# Altium PCB main.PcbDoc (part 2 of 2) (continued)
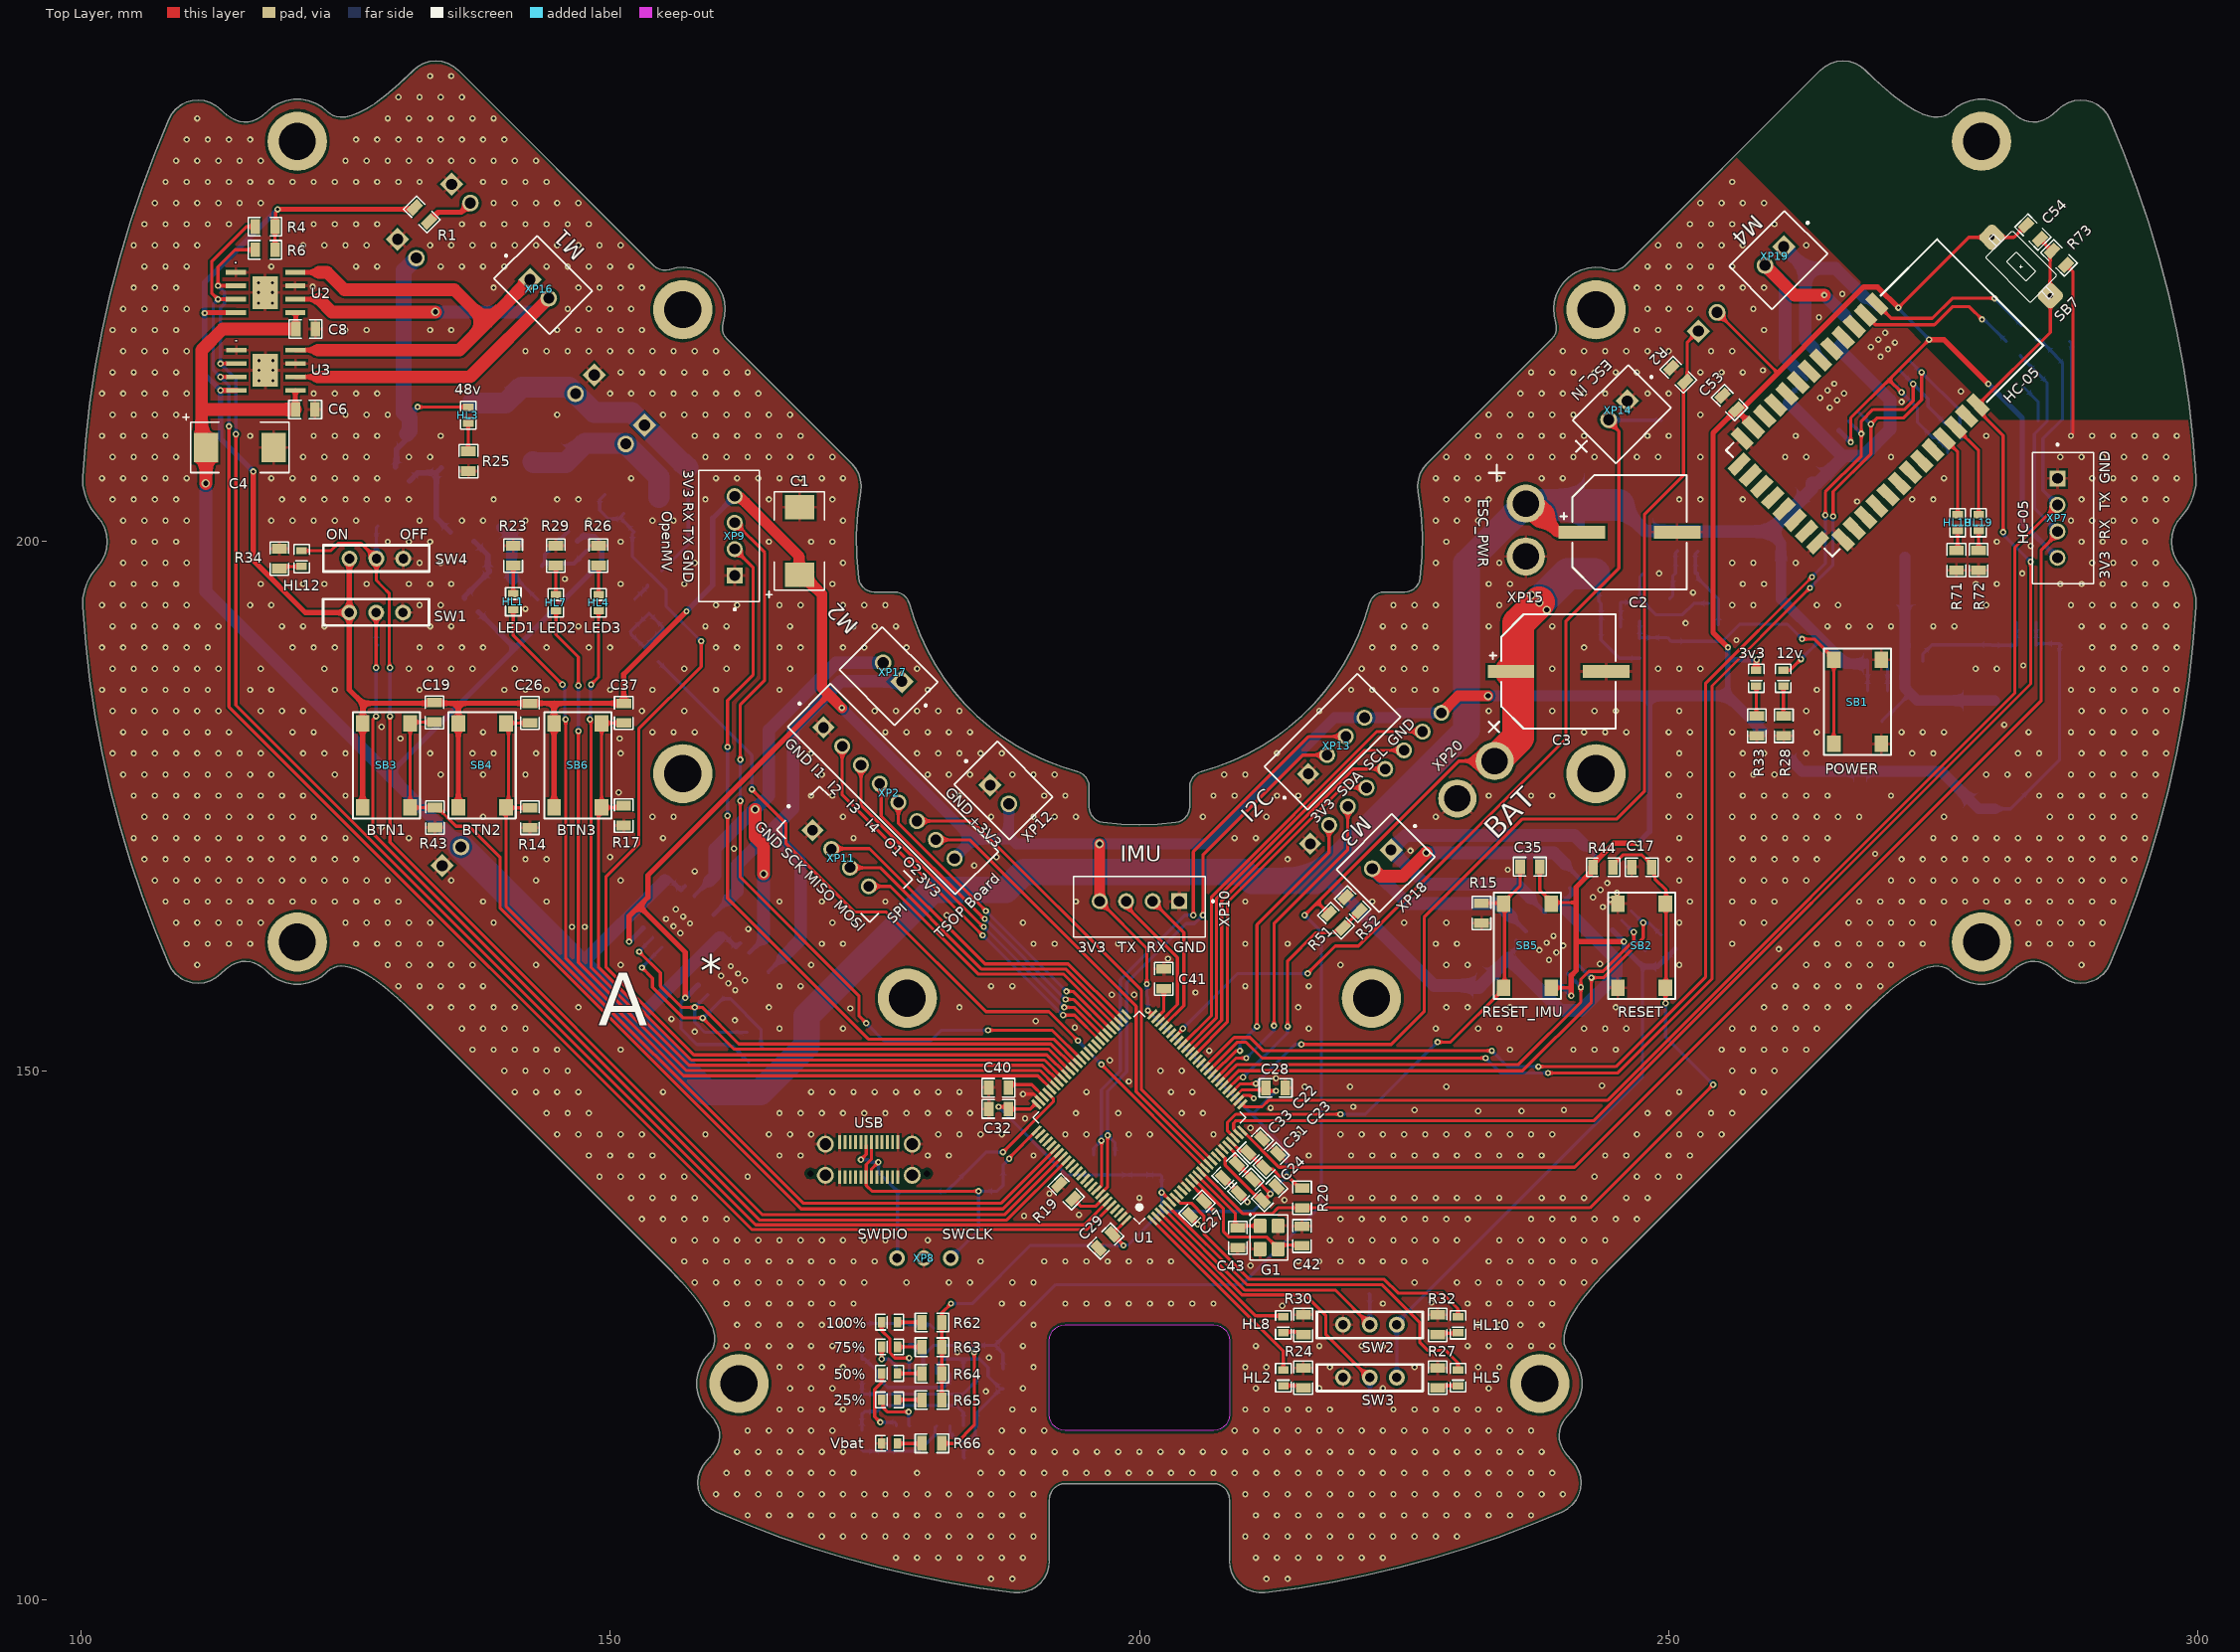
[diagram p0: Top Layer view]
## Nets (pads, with @x,y where several pads share a name; then routed paths per layer and width w, separated by ;. In a path a pad name is that pad's centre, name@x,y a point inside that pad or via, vN(x,y) a via of type N, cw(c..) or ccw(c..) an arc to the next point about the centre after c; other vN are vias at no path point) (continued)
  Bottom Layer w0.3: v1(209.5,151.9) 209.5,152.601 v1(211.1,154.201)
LB_OUT2: U1.33 XP1.3 | length 31.4
  Top Layer w0.3: U1.33@207.248,149.312 209.136,151.2 v1(210.1,151.2) ; v1(212.717,154.262) 212.717,163.917 219.688,170.888 XP1.3@219.688,174.983
  Bottom Layer w0.3: v1(210.1,151.2) 212.717,153.817 v1(212.717,154.262)
LED1: HL1.2 U1.71 | length 86
  Top Layer w0.3: HL1.2@140.851,193.578 140.851,191.148 v1(145.5,186.499) ; v1(145.8,183.2) 145.8,160.675 156.94,149.535 190.408,149.535 U1.71@191.692,148.252
  Bottom Layer w0.3: v1(145.5,186.499) 145.7,186.299 145.7,183.2 v1(145.8,183.2)
LED2: HL7.2 U1.70 | length 84
  Top Layer w0.3: HL7.2@144.885,193.478 144.885,191.215 147,189.1 v1(147,186.4) ; v1(147,182.1) 147,160.225 157.195,150.03 190.62,150.03 U1.70@192.045,148.605
  Bottom Layer w0.3: v1(147,182.1) v1(147,186.4)
LED3: HL4.2 U1.69 | length 82.8
  Top Layer w0.3: v1(148.1,183.2) 148.2,183.2 148.2,159.775 157.45,150.525 190.832,150.525 U1.69@192.399,148.959 ; v1(148.2,186.5) 148.918,187.218 HL4.2@148.918,193.478
  Bottom Layer w0.3: v1(148.1,183.2) 148.15,183.25 148.15,186.45 v1(148.2,186.5)
M1_IN1: R6.1 U1.96 U2.3 U3.3 | length 156.5
  Top Layer w0.3: v1(113.2,215.566) U3.3@114.687,215.566 ; v1(114,210.9) 114,184.4 163.4,135 195.057,135 U1.96@197.348,137.292 ; U2.3@114.65,222.907 v1(112.963,222.907) 112.363,223.507 112.363,226.463 115.68,229.78 R6.1@116.462,229.78
  Bottom Layer w0.3: v1(112.963,222.907) 112.5,222.444 112.5,216.266 v1(113.2,215.566) 114,214.766 v1(114,210.9)
M1_IN2: R4.1 U1.95 U2.2 U3.2 | length 153.4
  Top Layer w0.3: v1(113.2,216.815) 113.22,216.836 U3.2@114.687,216.836 ; U2.2@114.65,224.177 v1(112.963,224.177) 112.963,225.963 114.58,227.58 R4.1@116.462,227.58 ; v1(114.656,210.156) 114.656,184.544 163.75,135.45 194.8,135.45 U1.95@196.995,137.645
  Bottom Layer w0.3: v1(112.963,224.177) 113.563,223.577 113.563,222.463 113.2,222.1 v1(113.2,216.815) 114.656,215.359 v1(114.656,210.156)
M1_OUT1: U2.6 U3.6 XP16.2 | length 52
  Top Layer w0.4: U2.6@120.25,222.907 122.5,222.907 ; U3.6@120.287,215.566 122.4,215.566
  Top Layer w1.2: 122.4,215.566 136.766,215.566 XP16.2@144.2,223 ; 122.5,222.907 123.707,221.7 v2(133.5,221.7)
  Bottom Layer w1.2: v2(133.5,221.7) 142.9,221.7 XP16.2@144.2,223
M1_OUT2: U2.8 U3.8 XP16.1 | length 45
  Top Layer w0.4: U2.8@120.25,225.447 122.5,225.447 ; U3.8@120.287,218.106 122.4,218.106
  Top Layer w1.2: 122.4,218.106 135.77,218.106 138.382,220.718 ; 122.5,225.447 123.253,225.447 124.9,223.8 128.216,223.8 135.3,223.8 138.382,220.718 ; XP16.1@142.432,224.768 138.382,220.718
M2_IN1: R7.1 U1.65 U4.3 U5.3 | length 56.6
  Top Layer w0.3: v1(152.75,161.25) 154.75,159.25 154.75,158 156.75,156 v1(158,156) 158.7,156 162.15,152.55 191.636,152.55 U1.65@193.813,150.373
  Bottom Layer w0.3: v1(152.75,161.25) 152.75,161.285 154.015,162.55 U4.3@154.015,162.585 ; U5.3@159.207,157.197 159.202,157.197 158.005,156 v1(158,156) 158,154.6 158.951,153.649 R7.1@162.927,153.649
M2_IN2: R5.1 U1.66 U4.2 U5.2 | length 57
  Top Layer w0.3: v1(153,159.75) 154,158.75 154,157.9 156.9,155 v1(158.75,155) 161.7,152.05 191.429,152.05 U1.66@193.459,150.019
  Bottom Layer w0.3: v1(153,159.75) 153,159.762 154.913,161.675 U4.2@154.913,161.687 ; v1(158.75,155) 158.806,155 160.617,156.811 161.36,156.811 164.252,153.919 164.252,152.325 R5.1@164.427,152.149
M2_OUT1: U4.6 U5.6 XP17.2 | length 46.5
  Top Layer w1.2: v2(163.7,174.7) 163.7,172.1 164.5,171.3 v2(164.5,168.6)
  Bottom Layer w0.4: U4.6@157.975,166.545 159.4,167.97 ; U5.6@163.166,161.156 164.51,162.5
  Bottom Layer w1.2: 159.4,167.97 159.9,168.47 159.9,170.97 163.63,174.7 v2(163.7,174.7) 165,176 165,182.2 171.355,188.555 XP17.2@175.787,188.555 ; v2(164.5,168.6) 164.51,168.59 164.51,162.5
M2_OUT2: U4.8 U5.8 XP17.1 | length 48.5
  Bottom Layer w0.4: U4.8@159.771,164.749 161.211,166.189 ; U5.8@164.963,159.36 166.351,160.749
  Bottom Layer w1.2: 161.211,166.189 162,166.978 162,169.478 165.131,172.609 ; 166.351,160.749 168,162.398 168,169.739 165.131,172.609 ; XP17.1@177.555,186.787 177.516,186.826 171.791,186.826 167.3,182.335 167.3,174.778 165.131,172.609
M3_IN1: R10.1 U1.32 U6.3 U7.3 | length 52.3
  Top Layer w0.3: U1.32@207.601,148.959 209.243,150.6 235.8,150.6 241.7,156.5 v1(241.7,157.9) 241.701,157.901 241.701,158.65 242.451,159.4 243.8,159.4 246.7,162.3 v1(246.7,163.1)
  Bottom Layer w0.3: U6.3@240.465,159.213 240.465,159.174 241.7,157.939 v1(241.7,157.9) ; U7.3@245.551,164.209 245.571,164.209 246.68,163.1 v1(246.7,163.1) 246.757,163.043 246.757,162.385 R10.1@247.79,161.352
M3_IN2: R8.1 U1.31 U6.2 U7.2 | length 53.9
  Top Layer w0.3: U1.31@207.955,148.605 209.35,150 236.2,150 242.7,156.5 v1(242.7,158.8) 243.836,158.8 247.6,162.564 v1(247.6,164)
  Bottom Layer w0.3: U6.2@241.363,160.111 241.376,160.111 242.687,158.8 v1(242.7,158.8) ; U7.2@246.449,165.107 246.471,165.107 247.578,164 v1(247.6,164) 247.657,163.943 248.182,163.943 R8.1@249.283,162.842
M3_OUT1: U6.6 U7.6 XP18.2 | length 38.8
  Top Layer w1.2: XP18.2@222,169.1 222.101,169.1 222.801,168.4 224.9,168.4 v2(227.1,170.6)
  Bottom Layer w0.4: 235.1,164.578 U6.6@236.505,163.172 ; 240.187,169.573 U7.6@241.591,168.169
  Bottom Layer w1.2: XP18.2@222,169.1 225.3,165.8 233.878,165.8 235.1,164.578 ; v2(227.1,170.6) 239.16,170.6 240.187,169.573
M3_OUT2: U6.8 U7.8 XP18.1 | length 38.1
  Bottom Layer w0.4: 236.9,166.37 U6.8@238.301,164.968 ; 241.976,171.376 U7.8@243.387,169.965
  Bottom Layer w1.2: 236.9,166.37 235.641,167.628 227.007,167.628 XP18.1@223.768,170.868 225.137,172.237 241.115,172.237 241.976,171.376
M4_IN1: R11.1 U1.36 U8.3 U9.3 | length 127.7
  Top Layer w0.3: U1.36@206.187,150.373 208.964,153.15 210.45,153.15 211.7,151.9 v1(233.3,151.9) ; v1(237.7,150.4) 245,150.4 253.5,158.9 253.5,186.628 v1(263.536,196.664) ; v1(264.8,202.5) 264.8,204.7 268.2,208.1 v1(268.2,210.2) 268.2,211.4 269.3,212.5 272.3,212.5 273.1,213.3 v1(273.1,214.9)
  Bottom Layer w0.3: v1(233.3,151.9) 234.8,150.4 v1(237.7,150.4) ; v1(263.536,196.664) 264.8,197.928 v1(264.8,202.5) ; U8.3@266.99,211.4 266.995,211.4 268.195,210.2 v1(268.2,210.2) ; U9.3@271.796,216.205 273.1,214.901 274.5,213.5 274.5,212.8 276.151,211.149 R11.1@276.277,211.149
M4_IN2: R9.1 U1.35 U8.2 U9.2 | length 131.7
  Top Layer w0.3: U1.35@206.541,150.019 209.221,152.7 210.1,152.7 211.6,151.2 v1(232.7,151.2) ; v1(238.6,149.8) 245.2,149.8 254.1,158.7 254.1,186.38 v1(263.345,195.625) ; v1(265.542,202.394) 265.542,204.742 269.1,208.3 v1(269.1,211.1) 269.7,211.7 272.2,211.7 273.9,213.4 v1(273.9,216)
  Bottom Layer w0.3: v1(232.7,151.2) 234.1,149.8 v1(238.6,149.8) ; v1(263.345,195.625) 265.5,197.78 265.5,202.394 v1(265.542,202.394) ; U8.2@267.888,212.298 267.895,212.298 269.093,211.1 v1(269.1,211.1) ; U9.2@272.694,217.104 272.745,217.104 273.849,216 v1(273.9,216) 277.502,212.398 277.502,209.925 R9.1@277.677,209.749
M4_OUT1: U8.6 U9.6 XP19.2 | length 23.6
  Top Layer w1.2: XP19.2@259.1,226.1 261.9,223.3 v1(264.7,223.3)
  Bottom Layer w0.4: 261.895,216.495 U8.6@263.03,215.36 ; 266.7,221.3 267.834,220.166 U9.6@267.836,220.166
  Bottom Layer w1.2: XP19.2@259.1,226.1 261,224.2 261,217.39 261.895,216.495 ; v1(264.7,223.3) 266.7,221.3
M4_OUT2: U8.8 U9.8 XP19.1 | length 20.7
  Bottom Layer w0.4: 263.691,218.291 U8.8@264.826,217.156 ; 268.497,223.097 U9.8@269.632,221.962
  Bottom Layer w1.2: XP19.1@260.868,227.868 262.9,225.836 ; 263.691,218.291 262.9,219.082 262.9,225.836 ; 268.497,223.097 265.759,225.836 262.9,225.836
MTR_SW: HL12.2 R42.2 SW4.2 U1.83 | length 118.8
  Top Layer w0.3: HL12.2@120.856,199.15 123.626,199.15 124.326,199.85 126.47,199.85 SW4.2@127.92,198.4 127.92,196.33 128.436,195.814 129.15,195.1 129.15,188.15 v1(129.2,188.1) ; v1(129.2,183.5) 129.2,171.6 164.4,136.4 187.264,136.4 U1.83@192.752,141.888
  Bottom Layer w0.3: SW4.2@127.92,198.4 127.92,201.342 R42.2@128.058,201.48 ; v1(129.2,183.5) v1(129.2,188.1)
MV_RX: U1.63 XP9.3 | length 76.9
  Top Layer w0.3: XP9.3@161.771,201.8 164.6,198.971 164.6,186.9 162.3,184.6 v1(162.3,179.4) ; v1(162.3,175.5) 162.3,168.3 173.5,157.1 173.5,155.2 v1(174.2,154.5) ; v1(185.7,153.837) 191.763,153.837 U1.63@194.52,151.08
  Bottom Layer w0.3: v1(162.3,175.5) v1(162.3,179.4) ; v1(174.2,154.5) 175.9,152.8 180.235,152.8 181.272,153.837 v1(185.7,153.837)
MV_TX: U1.64 XP9.2 | length 74.2
  Top Layer w0.3: v1(161.1,174.1) 161.1,166.3 174.4,153 191.893,153 U1.64@194.166,150.727 ; v1(161.1,180.6) 161.1,185 163.5,187.4 163.5,197.571 XP9.2@161.771,199.3
  Bottom Layer w0.3: v1(161.1,174.1) v1(161.1,180.6)
NetBT1_1: HC-05.1 R69.1 | length 16.2
  Top Layer w0.3: HC-05.1@269.667,222.467 271.035,221.1 274.9,221.1 276.8,223 v1(280.8,223)
  Bottom Layer w0.3: v1(280.8,223) 283.383,220.417 R69.1@283.405,220.417
NetBT1_2: HC-05.2 R70.1 | length 15.7
  Top Layer w0.3: HC-05.2@268.607,221.407 269.513,220.5 275.1,220.5 276.8,222.2 278.4,222.2 v1(279.6,221)
  Bottom Layer w0.3: v1(279.6,221) 279.657,220.943 279.857,220.943 281.873,218.927 R70.1@281.901,218.927
NetBT1_3: HC-05.3
NetBT1_4: HC-05.4
NetBT1_5: HC-05.5
NetBT1_6: HC-05.6
NetBT1_7: HC-05.7
NetBT1_8: HC-05.8
NetBT1_9: HC-05.9
NetBT1_10: HC-05.10
NetBT1_11: HC-05.11
NetBT1_14: HC-05.14
NetBT1_15: HC-05.15
NetBT1_16: HC-05.16
NetBT1_17: HC-05.17
NetBT1_18: HC-05.18
NetBT1_19: HC-05.19
NetBT1_20: HC-05.20
NetBT1_23: HC-05.23
NetBT1_24: HC-05.24
NetBT1_25: HC-05.25
NetBT1_26: HC-05.26
NetBT1_27: HC-05.27
NetBT1_28: HC-05.28
NetBT1_29: HC-05.29
NetBT1_30: HC-05.30
NetBT1_31: HC-05.31 HL18.2 | length 7.7
  Top Layer w0.3: HC-05.31@276.031,209.739 277.304,208.467 HL18.2@277.304,202.542
NetBT1_32: HC-05.32 HL19.2 | length 9.2
  Top Layer w0.3: HC-05.32@277.092,210.8 279.284,208.608 HL19.2@279.284,202.542
NetBT1_33: HC-05.33@278.153,211.861
NetC25_1: C25.1 DA1.4 | length 2.8
  Bottom Layer w0.3: DA1.4@270.614,188.672 270.667,188.619 C25.1@270.667,185.906
NetC34_2: C34.2 C36.1 C38.2 L1.2 R12.2 R16.1 | length 45.6
  Bottom Layer w0.3: L1.2@280.8,174.75 282.3,174.75 286.914,179.364 C34.2@286.914,190.213 ; R12.2@284.721,192.372 284.721,190.213 C38.2@284.71,190.201 284.879,190.37 C34.2@286.914,190.37 ; C34.2@286.914,190.213 287.072,190.213 286.993,190.292 C34.2@286.914,190.37 ; C34.2@286.914,190.213 C34.2@286.914,190.37
  Bottom Layer w1: R16.1@261.131,179.769 262.6,178.3 C36.1@268.1,178.3 275.75,178.3 279.3,174.75 L1.2@280.8,174.75
NetC38_1: C38.1 DA1.2 R12.1 R13.2 | length 12.1
  Bottom Layer w0.3: DA1.2@274.014,188.672 274.014,189.397 274.877,190.259 R13.2@280.443,190.259 280.5,190.202 C38.1@282.85,190.201 282.841,190.21 R12.1@282.841,192.372
NetC40_2: C40.2 U1.73 | length 4
  Top Layer w0.3: C40.2@187.631,148.406 187.925,148.7 189.829,148.7 U1.73@190.984,147.545
NetC41_2: C41.2 U1.49 | length 3.1
  Top Layer w0.3: U1.49@201.591,154.969 202.306,155.684 C41.2@202.306,157.769
NetC42_1: C42.1 G1.3 U1.12 | length 14.4
  Top Layer w0.3: U1.12@205.127,139.766 207.95,136.943 207.95,134.801 208.463,134.288 212.062,134.288 213.1,133.25 G1.3@213.1,133.15 213.487,133.537 C42.1@215.359,133.537
NetC43_1: C43.1 G1.1 U1.13 | length 8.6
  Top Layer w0.3: U1.13@205.48,140.12 209.052,136.548 C43.1@209.052,135.16 ; C43.1@209.3,135.16 209.49,135.35 G1.1@211.4,135.35
NetC44_1: C44.1 C45.1 R37.2 VT4.D VT5.G | length 14.2
  Bottom Layer w0.3: R37.2@245.471,191.95 C45.1@245.471,194.173 ; C45.1@245.471,194.256 247.196,194.256 C44.1@247.287,194.346 ; VT5.G@247.574,196.969 247.287,196.681 C44.1@247.287,194.346 ; VT4.D@253.743,194.167 252.367,194.167 251.3,193.1 248.781,193.1 247.535,194.346 C44.1@247.287,194.346
NetC44_2: C44.2 R36.2 SB1.3 SB1.4 VD6.K | length 30.2
  Top Layer w0.3: v1(262.6,190.8) 263.754,190.8 265.592,188.963 SB1.3@265.592,188.838 SB1.4@265.592,180.888
  Bottom Layer w0.3: C44.2@247.272,192.486 R36.2@247.272,190.859 247.355,190.942 249.883,190.942 250.237,190.588 255.088,190.588 256.7,192.2 261.2,192.2 v1(262.6,190.8)
NetC46_1: C46.1 R39.2 VT4.G | length 8.1
  Bottom Layer w0.3: C46.1@252.755,199.096 252.521,198.862 R39.2@252.521,197.02 252.743,197.02 252.743,196.549 254.693,194.599 VT4.G@254.693,192.167
NetD1_K: D1.K R49.1 R50.2 R53.2 | length 9
  Bottom Layer w0.3: D1.K@151.941,191.506 D1.K@151.947,191.506 ; R53.2@153.232,189.977 R53.2@153.232,190.006 ; D1.K@151.947,191.506 151.947,191.253 151.992,191.253 153.232,190.014 R53.2@153.232,190.006 ; D1.K@151.947,191.506 R49.1@153.656,193.215 153.698,193.215 154.992,191.921 R50.2@154.992,191.766 R53.2@153.232,190.006
NetD2_K: D2.K R54.1 R55.2 | length 6.9
  Bottom Layer w0.3: R55.2@173.805,126.141 178.13,126.141 R54.1@178.262,126.008 180.23,126.008 D2.K@180.56,125.678
NetDA1_3: DA1.3 L1.1 VD3.K | length 25.2
  Bottom Layer w0.3: VD3.K@270.15,183.003 270.15,183.053 271,183.903 271.05,183.903 271.761,184.613 272.824,185.676
  Bottom Layer w1: DA1.3@272.314,198.572 DA1.3@272.314,188.672 272.314,186.186 272.824,185.676 273.5,185 L1.1@280.8,185
NetHL1_1: HL1.1 R23.2 | length 2.7
  Top Layer w0.3: HL1.1@140.851,195.078 R23.2@140.851,197.743
NetHL2_1: HL2.1 R24.2 | length 2
  Top Layer w0.3: HL2.1@213.6,120.25 215.288,120.25 R24.2@215.48,120.058
NetHL3_1: HL3.1 R25.2 | length 2.7
  Top Layer w0.3: HL3.1@136.6,211.2 136.6,208.562 R25.2@136.62,208.542
NetHL4_1: HL4.1 R26.2 | length 2.8
  Top Layer w0.3: R26.2@148.898,197.743 148.918,197.723 HL4.1@148.918,194.978
NetHL5_1: HL5.1 R27.2 | length 2
  Top Layer w0.3: R27.2@228.18,120.058 228.372,120.25 HL5.1@230.1,120.25
NetHL6_1: 12v.1 R28.2 | length 2.8
  Top Layer w0.3: 12v.1@260.823,186.35 260.844,186.33 260.844,183.571 R28.2@260.872,183.542
NetHL7_1: HL7.1 R29.2 | length 2.8
  Top Layer w0.3: HL7.1@144.875,194.988 R29.2@144.875,197.743
NetHL8_1: HL8.1 R30.2 | length 2
  Top Layer w0.3: HL8.1@213.6,125.35 215.281,125.35 R30.2@215.48,125.152
NetHL10_1: HL10.1 R32.2 | length 2
  Top Layer w0.3: R32.2@228.26,124.944 228.515,125.2 HL10.1@230.2,125.2
NetHL11_1: 3v3.1 R33.2 | length 2.8
  Top Layer w0.3: 3v3.1@258.271,186.35 258.291,186.33 258.291,183.571 R33.2@258.319,183.542
NetHL12_1: HL12.1 R34.2 | length 2.2
  Top Layer w0.3: R34.2@118.766,197.458 118.959,197.65 HL12.1@120.856,197.65
NetHL13_1: 100%.1 U10.2 | length 6.8
  Top Layer w0.3: 100%.1@175.65,126.247 175.65,125.463 176.425,124.688 176.425,123.364 176.675,123.114 176.675,123.112 176.924,122.863 v1(178.25,122.863)
  Bottom Layer w0.3: v1(178.25,122.863) 178.25,121.69 178.3,121.64 178.175,121.515 U10.2@178.301,121.389
NetHL13_2: 100%.2 R62.1 | length 2.3
  Top Layer w0.3: 100%.2@177.15,126.247 179.442,126.247 R62.1@179.462,126.227
NetHL14_1: 75%.1 U10.1 | length 3.5
  Top Layer w0.3: v1(175.65,122.763) 75%.1@175.65,123.913
  Bottom Layer w0.3: v1(175.65,122.763) 176.342,122.763 177.024,122.081 U10.1@177.024,121.389
NetHL14_2: 75%.2 R63.1 | length 2.3
  Top Layer w0.3: 75%.2@177.15,123.913 179.442,123.913 R63.1@179.462,123.893
NetHL15_1: 50%.1 U10.14 | length 6.9
  Top Layer w0.3: v1(175.524,116.788) 175,117.312 175,119.913 175.65,120.563 50%.1@175.65,121.413
  Bottom Layer w0.3: v1(175.524,116.788) 176.881,116.788 177.031,116.638 U10.14@177.031,116.439
NetHL15_2: 50%.2 R64.1 | length 2.3
  Top Layer w0.3: 50%.2@177.15,121.413 179.442,121.413 R64.1@179.462,121.393
NetHL16_1: 25%.1 U10.13 | length 4.8
  Top Layer w0.3: 25%.1@175.65,118.913 175.793,118.77 175.793,118.169 176.182,117.779 v1(178.2,117.779)
  Bottom Layer w0.3: v1(178.2,117.779) 178.2,116.54 U10.13@178.301,116.439
NetHL16_2: 25%.2 R65.1 | length 2.3
  Top Layer w0.3: 25%.2@177.15,118.913 179.442,118.913 R65.1@179.462,118.893
NetHL17_2: R66.1 Vbat.2 | length 2.3
  Top Layer w0.3: Vbat.2@177.15,114.793 R66.1@179.462,114.793
NetHL18_1: HL18.1 R71.2 | length 1.9
  Top Layer w0.3: R71.2@277.176,199.186 277.304,199.314 HL18.1@277.304,201.042
NetHL19_1: HL19.1 R72.2 | length 1.9
  Top Layer w0.3: R72.2@279.274,199.184 279.284,199.194 HL19.1@279.284,201.042
NetJ1_A4: USB.A4
NetJ1_A5: USB.A5
NetJ1_A8: USB.A8
NetJ1_A9: USB.A9
NetJ1_B4: USB.B4
NetJ1_B5: USB.B5
NetJ1_B8: USB.B8
NetJ1_B9: USB.B9
NetR1_1: R1.1 XP3.2 | length 4.6
  Top Layer w0.5: R1.1@132.877,230.251 133.76,231.134 135.934,231.134 XP3.2@136.8,232
NetR19_2: R19.2 U1.94 | length 3.5
  Top Layer w0.3: R19.2@193.752,137.919 194.471,137.2 195.843,137.2 U1.94@196.641,137.999
NetR21_1: R21.1 VT1.5 VT1.7 | length 8.7
  Bottom Layer w0.4: R21.1@143.569,197.727 143.842,197.999 143.842,198.78 VT1.7@146.008,200.947 ; R21.1@143.911,197.93 143.98,197.999 144.266,197.999 144.335,197.93 146.584,197.93 VT1.5@147.804,199.151
NetR21_2: R21.2 R22.2 VT2.G VT7.G | length 9.2
  Bottom Layer w0.3: VT7.G@140.827,196.416 141.252,196.416 142.968,194.7 R22.2@143.148,194.52
  Bottom Layer w1: VT2.G@139.723,201.337 139.841,201.337 141.248,199.93 R21.2@141.307,199.99 140.686,199.369 140.686,196.558 VT7.G@140.827,196.416
NetR39_1: R39.1 R40.1 VD6.A | length 4.8
  Bottom Layer w0.3: VD6.A@250.101,194.625 250.392,194.917 250.392,196.772 R39.1@250.64,197.02 250.64,198.922 R40.1@250.843,199.124
NetR46_1: R46.1 VT3.G VT6.D | length 9.7
  Bottom Layer w0.5: R46.1@131.049,205.723 131.834,206.508 VT3.G@133.589,206.508 ; VT3.G@134.048,206.968 VT3.G@133.589,206.508 ; VT6.D@134.919,200.909 133.589,202.24 VT3.G@133.589,206.508
NetR47_1: R47.1 VT6.G VT7.D | length 6.9
  Bottom Layer w0.5: R47.1@136.251,194.677 136.251,194.814 138.6,197.163 VT7.D@138.6,197.3 138.459,197.441 138.459,198.714 VT6.G@137.147,200.025
NetR48_1: R48.1 R49.2 | length 1.8
  Bottom Layer w0.3: R49.2@152.326,194.544 153.531,195.749 R48.1@153.531,195.893
NetR55_1: R55.1 R56.2 U10.5 | length 12.1
  Bottom Layer w0.3: R55.1@173.805,124.261 R56.2@173.805,122.777 174.053,122.777 175.3,121.53 175.3,121 176.2,120.1 181.512,120.1 182.111,120.699 U10.5@182.111,121.389
NetR56_1: R56.1 R57.2 U10.7 | length 13.5
  Bottom Layer w0.3: R56.1@173.805,120.897 R57.2@173.805,119.454 183.354,119.454 184.454,120.554 184.501,120.554 184.651,120.704 U10.7@184.651,121.389
NetR57_1: R57.1 R58.2 U10.9 | length 13
  Bottom Layer w0.3: R58.2@173.784,116.055 173.784,117.554 174.039,117.808 175.208,117.808 175.779,118.379 182.709,118.379 183.381,117.707 U10.9@183.381,116.439
NetR58_1: R58.1 R59.2 U10.11 | length 8.5
  Bottom Layer w0.3: R58.1@173.784,114.175 173.904,114.055 R59.2@176.08,114.055 179.155,114.055 180.691,115.591 180.691,116.289 U10.11@180.841,116.439
NetR60_1: R60.1 R61.2 U10.4 U10.6 U10.8 U10.10 | length 20.9
  Bottom Layer w0.3: U10.4@180.841,121.389 180.841,122.074 181.53,122.763 183.381,122.763 ; U10.10@182.111,116.439 182.111,115.754 182.261,115.604 182.296,115.604 182.9,115 183.4,115 ; U10.6@183.381,121.389 183.381,122.763 ; R61.2@183.442,113.42 183.4,113.462 183.4,115 ; R60.1@187.146,119.955 R60.1@186.898,119.955 ; 183.381,122.763 184.899,122.763 185.7,121.962 185.7,121.153 R60.1@186.898,119.955 ; 183.4,115 183.9,115 184.501,115.601 184.501,116.289 U10.8@184.651,116.439 184.651,117.708 R60.1@186.898,119.955
NetU1_8: U1.8
NetU1_9: U1.9
NetU1_18: U1.18
NetU1_37: U1.37
NetU1_38: U1.38
NetU1_43: U1.43
NetU1_45: U1.45
NetU1_46: U1.46
NetU1_51: U1.51
NetU1_59: U1.59
NetU1_60: U1.60
NetU1_61: U1.61
NetU1_62: U1.62
NetU1_77: U1.77
NetU1_78: U1.78
NetU1_79: U1.79
NetU1_80: U1.80
NetU1_85: U1.85
NetU1_86: U1.86
NetU1_87: U1.87
NetU1_88: U1.88
NetU1_89: U1.89
NetU1_90: U1.90
NetU1_91: U1.91
NetU1_97: U1.97
NetU1_98: U1.98
RESET_BTN: C17.2 R20.2 R44.1 SB2.3 SB2.4 U1.14 | length 83
  Top Layer w0.3: U1.14@205.834,140.473 209.807,136.5 212.537,136.5 213.095,137.058 R20.2@215.38,137.058 242.558,137.058 v1(254.2,148.7) ; R44.1@244.738,169.22 244.738,169.469 245.669,170.4 247.48,170.4 248.384,169.496 C17.2@248.384,169.247 248.684,168.947 248.684,168.149 249.75,167.083 249.75,165.85 SB2.4@249.7,165.8 249.75,165.75 249.75,157.9 SB2.3@249.7,157.85 v1(249.7,156.4)
  Bottom Layer w0.3: v1(249.7,156.4) 249.7,153.2 v1(254.2,148.7)
RESET_IMU: C35.2 R15.2 SB5.3 SB5.4 U1.23 | length 47.5
  Top Layer w0.3: U1.23@209.016,143.655 208.3,144.371 208.3,145.1 209.1,145.9 v1(219,145.9) ; v1(228.162,152.719) 229.394,152.719 234.4,157.725 SB5.4@234.4,157.85 234.5,157.95 234.5,165.7 SB5.3@234.4,165.8 SB5.3@234.4,165.842 ; R15.2@232.32,165.842 SB5.3@234.4,165.842 ; C35.2@235.969,169.294 235.969,167.494 234.4,165.925 SB5.3@234.4,165.842
  Bottom Layer w0.3: v1(219,145.9) 221.343,145.9 v1(228.162,152.719)
ROLE_SW: R38.2 SW2.2 U1.4 | length 26.8
  Top Layer w0.3: U1.4@202.298,136.938 209.95,129.286 218.502,129.286 SW2.2@221.774,126.014
  Bottom Layer w0.3: R38.2@221.72,128.94 221.72,128.92 221.774,128.866 SW2.2@221.774,126.186
SOL2: VD5.A VT2.D XP6.2 | length 16
  Bottom Layer w2: VT2.D@142.7,207.552 142.788,207.464 145.794,207.464 147.63,209.3 151.414,209.3 154.619,206.095 154.619,204.281 154.584,204.245 VD5.A@154.619,204.21
SPI2_MISO: U1.53 XP11.3 | length 31.4
  Top Layer w0.3: XP11.3@172.666,169.198 175.502,169.198 185.1,159.6 193.071,159.6 U1.53@198.055,154.616
SPI2_MOSI: U1.54 XP11.4 | length 28.7
  Top Layer w0.3: XP11.4@174.434,167.431 176.469,167.431 184.75,159.15 192.814,159.15 U1.54@197.702,154.262
SPI2_SCK: U1.52 XP11.2 | length 34.2
  Top Layer w0.3: XP11.2@170.898,170.966 170.931,170.998 174.502,170.998 185.4,160.1 193.278,160.1 U1.52@198.409,154.969
ST_LED: HL8.2 U1.2 | length 15.9
  Top Layer w0.3: U1.2@201.591,136.231 210.972,126.85 HL8.2@213.6,126.85
SW1: R35.2 SW1.2 U1.84 | length 107.1
  Top Layer w0.3: v1(127.9,183.5) 127.6,183.2 127.6,172.4 164.1,135.9 187.472,135.9 U1.84@193.106,141.534 ; v1(127.9,188.1) SW1.2@127.9,193.3
  Bottom Layer w0.3: v1(127.9,183.5) 127.9,188.08 v1@127.91,188.09 ; SW1.2@127.9,193.3 127.9,190.388 R35.2@128.058,190.23
  Bottom Layer w0.5: v1(127.9,188.1) v1@127.91,188.09
SWCLK: U1.76 USB.A7 USB.B7 VD1.K XP8.3 | length 31.6
  Top Layer w0.3: USB.B7@174.688,143.253 174.688,141.65 174.188,141.15 174.188,139.174 174.731,138.631 v1(184.806,138.631) ; v1(187.7,141.7) 187.757,141.757 187.757,141.842 U1.76@190.277,144.363
  Bottom Layer w0.3: XP8.3@182.18,132.3 184.806,134.926 v1(184.806,138.631) 186.568,138.631 187.146,139.209 187.146,141.146 v1(187.7,141.7)
SWDIO: U1.72 USB.A6 USB.B6 VD2.K XP8.1 | length 34.1
  Top Layer w0.3: v1(173.688,141.605) 174.188,142.105 USB.B6@174.188,142.923 ; USB.A6@174.688,139.953 174.688,140.707 v1(175.338,141.357) ; v1(187.118,142.318) 191.868,147.068 191.868,147.368 U1.72@191.338,147.898
  Bottom Layer w0.3: v1(173.688,141.605) 174.395,141.605 174.643,141.357 v1(175.338,141.357) 175.338,140.412 177.15,138.6 ; XP8.1@177.1,132.3 177.19,132.39 177.19,133.035 177.15,133.076 177.15,138.6 ; v1(187.118,142.318) 185.506,142.318 182.359,139.171 VD2.K@182.309,139.171 181.738,138.6 177.15,138.6
TB_IN1: U1.58 XP2.2 | length 38.6
  Top Layer w0.3: XP2.2@171.929,180.671 171.929,176.071 v1(185.2,162.8) ; v1(192.794,155.258) 193.878,155.258 U1.58@196.288,152.848
  Bottom Layer w0.3: v1(185.2,162.8) 185.226,162.8 192.768,155.258 v1(192.794,155.258)
TB_IN2: U1.57 XP2.3 | length 35.8
  Top Layer w0.3: XP2.3@173.697,178.903 173.697,175.122 185.219,163.6 v1(185.3,163.6) ; v1(192.9,156) 193.843,156 U1.57@196.641,153.201
  Bottom Layer w0.3: v1(185.3,163.6) v1(192.9,156)
TB_IN3: U1.56 XP2.4 | length 33
  Top Layer w0.3: XP2.4@175.464,177.136 175.6,177 175.6,174.071 185.313,164.358 v1(185.394,164.358) ; v1(193.023,156.74) 193.81,156.74 U1.56@196.995,153.555
  Bottom Layer w0.3: v1(185.394,164.358) 185.4,164.358 193.017,156.74 v1(193.023,156.74)
TB_IN4: U1.55 XP2.5 | length 30.2
  Top Layer w0.3: XP2.5@177.232,175.368 177.232,173.368 v1(185.5,165.1) ; v1(193.111,157.511) 193.746,157.511 U1.55@197.348,153.908
  Bottom Layer w0.3: v1(185.5,165.1) 185.511,165.1 193.1,157.511 v1(193.111,157.511)
TB_OUT1: U1.17 XP2.6 | length 46.7
  Top Layer w0.3: XP2.6@179,173.6 184.2,173.6 200.2,157.6 200.2,148.228 U1.17@206.894,141.534
TB_OUT2: U1.16 XP2.7 | length 43.2
  Top Layer w0.3: XP2.7@180.768,171.832 183.968,171.832 199.7,156.1 199.7,148.021 U1.16@206.541,141.181
Vbat: C3.1 C45.2 C52.2 R36.1 R37.1 R51.2 R54.2 R60.2 R66.2 U10.3 VT5.S XP20.2 | length 149
  Top Layer w0.3: R66.2@181.342,114.793 182.68,114.793 184.4,116.513 v1(184.4,123.4) ; v1(215.6,164.7) 216.829,165.929 ; R51.2@217.907,164.85 216.829,165.929 ; XP20.2@233.568,179.268 230.168,179.268 216.829,165.929
  Top Layer w3: XP20.2@233.568,179.268 235.8,181.5 235.8,187.033 C3.1@235.1,187.732 235.8,188.432 235.8,192.3 237.756,194.256 v2(237.773,194.256)
  Bottom Layer w0.3: R54.2@178.262,124.128 178.511,124.128 179.571,123.068 ; U10.3@179.571,121.389 179.571,123.068 ; v1(184.4,123.4) 184.4,124.069 ; R60.2@187.146,121.835 187.118,121.863 187.118,123.294 C52.2@186.343,124.069 ; v1(215.6,164.7) 217.2,163.1 217.2,137.3 209.7,129.8 192.1,129.8 186.369,124.069 C52.2@186.343,124.069 ; VT5.S@242.994,196.969 243.4,196.563 243.4,194.384 C45.2@243.611,194.173 243.611,191.944 R37.1@243.605,191.937 243.605,190.704 245.33,188.979 R36.1@247.272,188.979 ; 179.571,123.068 180.572,124.069 184.4,124.069 ; 184.4,124.069 C52.2@186.094,124.069 C52.2@186.343,124.069
  Bottom Layer w3: v2(237.773,194.256) 240.486,196.969 VT5.S@242.994,196.969
  other v2: 238.482,193.558 237.039,194.933
VBAT_ADC: R51.1 R52.2 U1.30 | length 23.5
  Top Layer w0.3: U1.30@208.308,148.252 209.399,149.343 209.743,149.343 v1(209.8,149.4) ; v1(214,154.2) 214,160.4 216.625,163.025 218.317,163.025 218.812,163.521 219.243,163.521 R52.2@220.811,165.089
  Bottom Layer w0.3: v1(209.8,149.4) 214,153.6 v1(214,154.2)
YG_LED: HL5.2 U1.5 | length 35.4
  Top Layer w0.3: U1.5@202.652,137.292 210.143,129.8 222.9,129.8 226.5,126.2 226.5,124.3 227.2,123.6 228.9,123.6 230.1,122.4 HL5.2@230.1,121.75
pads on no net: C16. G1.0 HC-05.33@270.586,222.962 HC-05.34@269.809,223.74 USB.8 USB.A2 USB.A3 USB.A10 USB.A11 USB.B2 USB.B3 USB.B10 USB.B11 VT1.1 VT1.8 VT2. VT3. VT5.

## Polygon pours and split planes (outlines as drawn)
GND on Bottom Layer "GND_L02_P001" (solid, remove dead copper, pour order 1): 84.5,263.8 328.4,250.6 316.6,93 76.9,83.9
GND on Top Layer "GND_L01_P000" (solid, remove dead copper, pour order 0): 93.943,260.883 324.943,253.583 320.743,84.183 98.443,88.783

## Other copper
Multi-Layer:
  pour cut-out: 254.8,237.9 281.2,211.5 305.6,211.5 305.6,250.5 303.4,252.7 254.9,252.7

## Silkscreen, mask and mechanical layers (free items; w line width, h text height)
Top Overlay:
  lines w0.2: 233,182 234,183 ; 233,183 234,182 ; 233,206.5 234.5,206.5 ; 233.75,205.75 233.75,207.25 ; 241.25,208.5 242.25,209.5 ; 241.25,209.5 242.25,208.5
  text "3V3 RX TX GND" at 156.9,206.8 h1 r270
  text "GND" at 291.7,205.45 h1 r90
  text "TX" at 291.7,202.95 h1 r90
  text "ON" at 123.2,200.2 h1
  text "OFF" at 130.134,200.2 h1
  text "RX" at 291.7,200.2 h1 r90
  text "3V3" at 291.7,196.45 h1 r90
  text "GND" at 166.392,180.872 h1 r315
  text "GND" at 223.99,180.543 h1 r45
  text "I1" at 168.867,178.397 h1 r315
  text "SCL" at 221.74,178.293 h1 r45
  text "I2" at 170.458,176.806 h1 r315
  text "GND" at 181.583,176.2 h1 r315
  text "SDA" at 219.24,175.793 h1 r45
  text "I3" at 172.225,175.039 h1 r315
  text "3V3" at 216.74,173.293 h1 r45
  text "I4" at 173.993,173.271 h1 r315
  text "GND SCK MISO MOSI" at 163.593,173.01 h1 r315
  text "O1" at 175.761,171.503 h1 r315
  text "O2" at 177.529,169.735 h1 r315
  text "3V3" at 178.837,168.144 h1 r315
  text "3V3" at 194.2,161.2 h1
  text "TX" at 197.95,161.2 h1
  text "RX" at 200.7,161.2 h1
  text "GND" at 203.2,161.2 h1
  text "*" at 158.5,158 h3
  text "A" at 148.869,154.301 h5
  text "SWDIO" at 173.4,134.1 h1
  text "SWCLK" at 181.4,134.1 h1
Bottom Overlay:
  drawing of 10 lines, arcs and shapes, not listed
  text "3V3 OUT" at 253.967,225.25 h1 r45
  text "GND 48V" at 147.217,220.25 h1 r45
  text "*" at 115.257,189.6 h1.5 r270
  text "Power / Switch" at 255.3,181 h1.52
  text "Asterisk  team / 2024" at 112,177.9 h1.5 r270
Outline:
  drawing of 595 lines, arcs and shapes, not listed